# Altium PCB PCB_Organo_Prueba_V2.PcbDoc (part 2 of 2)
Units mil, origin at the board's own origin, x right, y up, seen from the top; angles counter-clockwise.
Board outline 5014.03 x 3533.9 mil, 2 copper layers (Top Layer, Bottom Layer); 87 components, 109 nets, 403 pads, 117 vias.
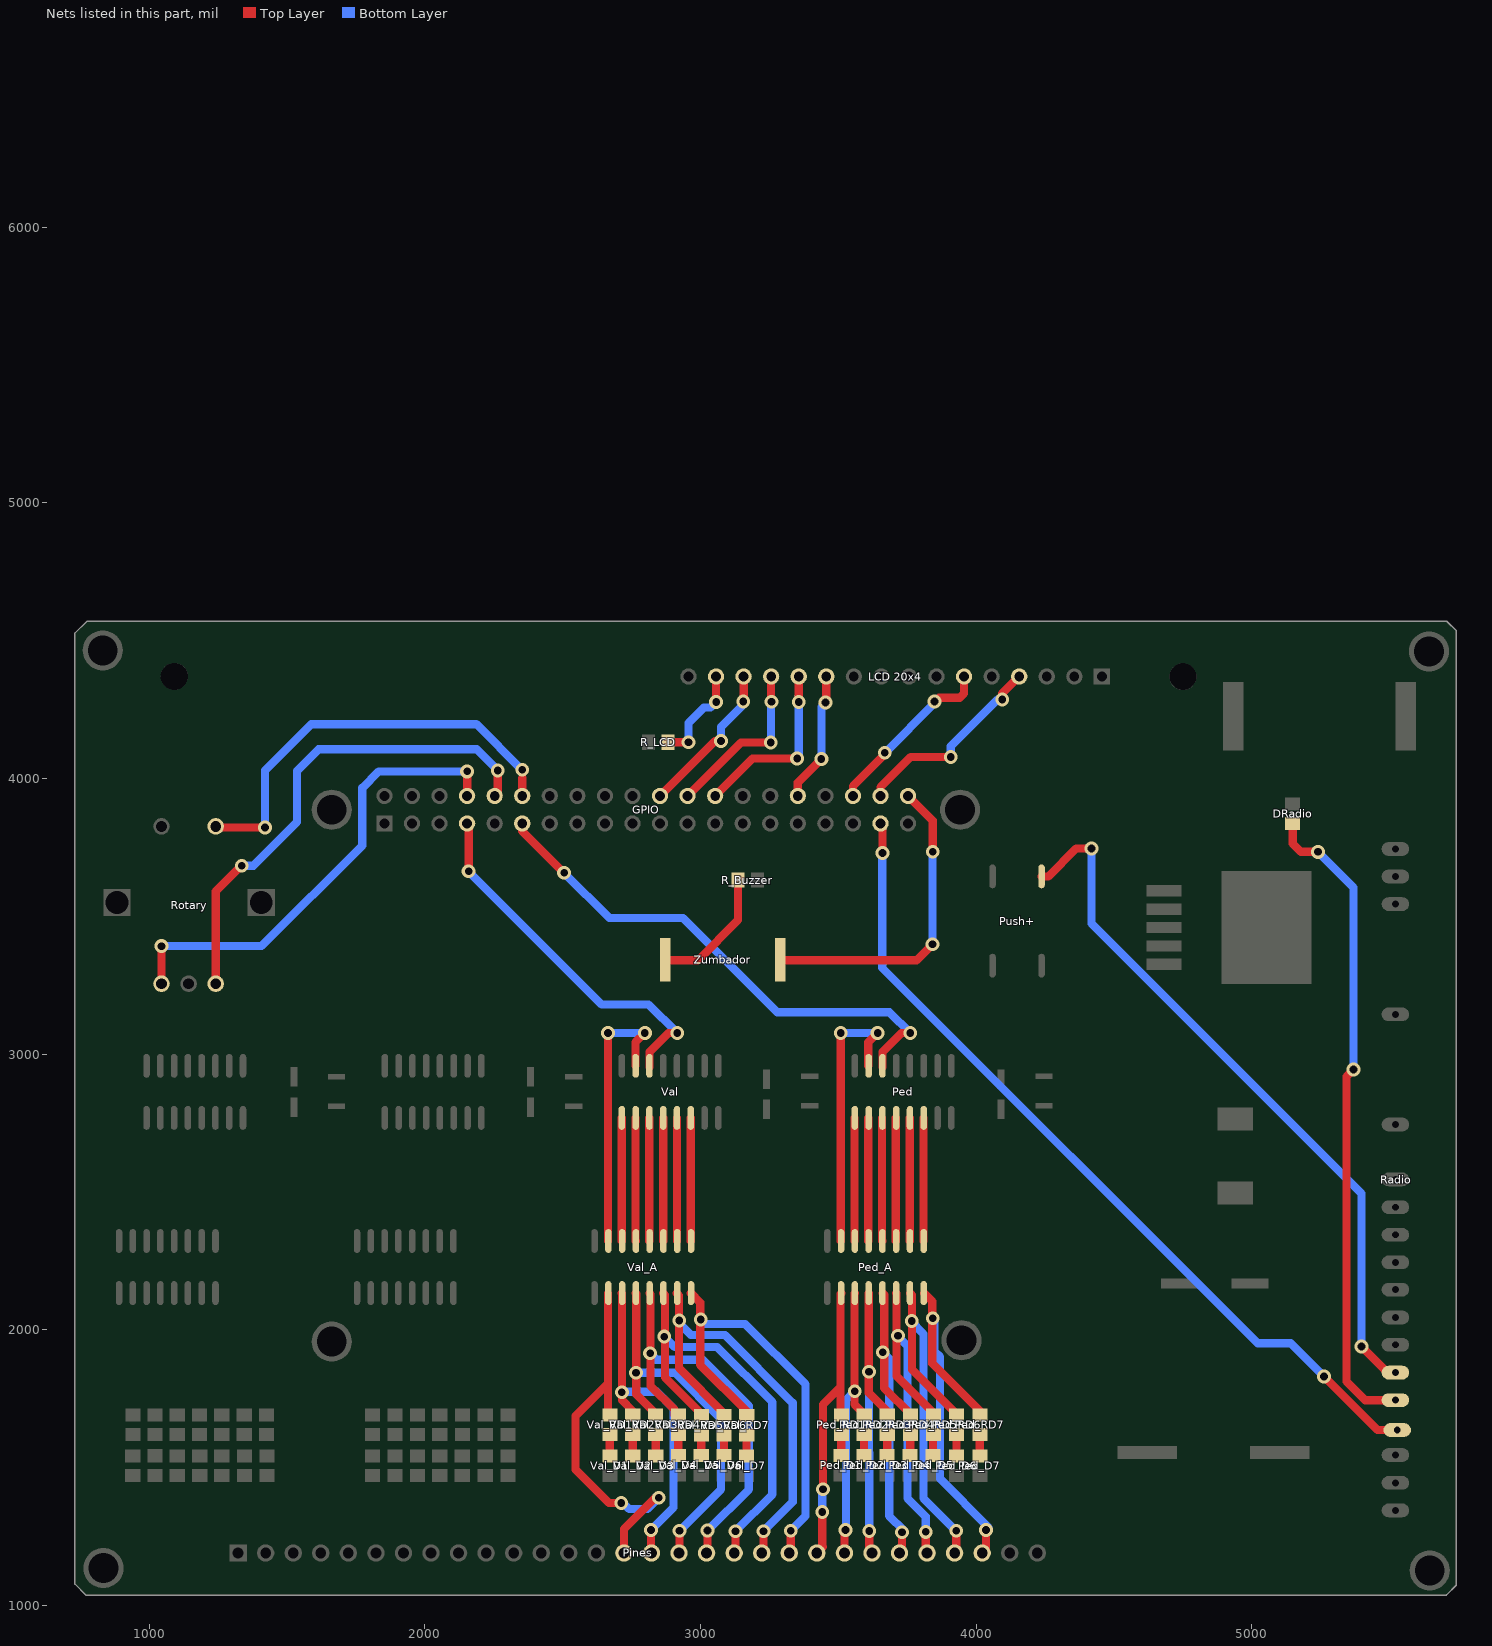
[diagram p2: the nets of this part, all layers, seen from the top]

## Via types
v1: diameter 50, hole 28, Top Layer to Bottom Layer, 117 vias

## Nets (pads, with @x,y where several pads share a name; then routed paths per layer and width w, separated by ;. In a path a pad name is that pad's centre, name@x,y a point inside that pad or via, vN(x,y) a via of type N, cw(c..) or ccw(c..) an arc to the next point about the centre after c; other vN are vias at no path point) (continued)
NetDRadio_2: DRadio.2 Radio.21 | length 2368.8
  Top Layer w30: DRadio.2@5148.43,3836.61 5148.43,3763.57 5178.5,3733.5 v1(5240.5,3733.5) ; v1(5369.5,2943.5) 5344,2918 5344,1811.5 5411.5,1744 Radio.21@5521.3,1744
  Bottom Layer w30: v1(5240.5,3733.5) 5369.5,3604.5 v1(5369.5,2943.5)
NetGPIO_7: GPIO.7 Val.14 | length 1361.1
  Top Layer w30: GPIO.7@2153,3836.5 2158.5,3831 v1(2158.5,3663) ; Val.14@2815,2951.5 2815,3008 2883,3076 v1(2915.5,3076)
  Bottom Layer w30: v1(2158.5,3663) 2641.5,3180 2811.5,3180 v1(2915.5,3076)
NetGPIO_8: GPIO.8 Rotary.A | length 1719.5
  Top Layer w30: Rotary.A@1044,3255 v1(1044,3391.5) ; GPIO.8@2153,3936.5 v1(2153,4025.5)
  Bottom Layer w30: v1(1044,3391.5) 1407,3391.5 1772.5,3757 1772.5,3966 1832,4025.5 v1(2153,4025.5)
NetGPIO_10: GPIO.10 Rotary.B | length 1809.4
  Top Layer w30: Rotary.B@1240.85,3255 1240.85,3589.35 v1(1335,3683.5) ; GPIO.10@2253,3936.5 2264.5,3948 v1(2264.5,4029)
  Bottom Layer w30: v1(1335,3683.5) 1377.5,3683.5 1536,3842 1536,4027.5 1614,4105.5 2188,4105.5 v1(2264.5,4029)
NetGPIO_11: GPIO.11 Ped.14 | length 1924
  Top Layer w30: GPIO.11@2353,3836.5 2353,3809.5 v1(2505,3657.5) ; Ped.14@3660.5,2951.5 3660.5,3008 3728.5,3076 v1(3761,3076)
  Bottom Layer w30: v1(2505,3657.5) 2669,3493.5 2936.5,3493.5 3278.5,3151.5 3685.5,3151.5 v1(3761,3076)
NetGPIO_12: GPIO.12 Rotary.E | length 1525.7
  Top Layer w30: Rotary.E@1240.85,3825.87 1244.97,3821.75 v1(1419.75,3821.75) ; GPIO.12@2353,3936.5 2353,4001 2354,4002
  Bottom Layer w30: v1(1419.75,3821.75) 1419.75,4029.25 1587.5,4197 2186.5,4197 v1@2353,4030.5
  other v1: 2353,4031.5
NetGPIO_22: "LCD 20x4.14" GPIO.22 | length 583.5
  Top Layer w30: GPIO.22@2853,3936.5 3052.5,4136 v1(3074.5,4136) ; v1(3155,4279) 3156.3,4280.3 3156.3,4369.69
  Bottom Layer w30: v1(3074.5,4136) 3074.5,4187 3154.5,4267 v1@3154.5,4291
NetGPIO_24: "LCD 20x4.13" GPIO.24 | length 632.1
  Top Layer w30: GPIO.24@2953,3936.5 3147,4130.5 v1(3255,4130.5) ; v1@3255.5,4291 3255.5,4368.89 3256.3,4369.69
  Bottom Layer w30: v1(3255,4130.5) 3255.5,4131 v1@3255.5,4301
  other v1: 3257.5,4278.5
NetGPIO_26: "LCD 20x4.12" GPIO.26 | length 663.7
  Top Layer w30: GPIO.26@3053,3936.5 3188.5,4072 v1(3350.5,4072) ; v1@3356,4288.5 3356,4369.39 3356.3,4369.69
  Bottom Layer w30: v1(3350.5,4072) 3356,4077.5 v1@3356,4298.5
  other v1: 3356,4277
NetGPIO_32: "LCD 20x4.11" GPIO.32 | length 470.7
  Top Layer w30: GPIO.32@3353,3936.5 3353,3985 v1(3438.5,4070.5) ; v1@3456.3,4275.5 3456.3,4369.69
  Bottom Layer w30: v1(3438.5,4070.5) 3438.5,4260.5 3443.5,4265.5 v1@3453.5,4265.5
  other v1: 3453.5,4275.5
NetGPIO_36: "LCD 20x4.6" GPIO.36 | length 645.5
  Top Layer w30: GPIO.36@3553,3936.5 3553,3972 v1@3676.5,4095.5 ; v1@3850.25,4277.75 3865,4292.5 3940.5,4292.5 3956.3,4308.3 3956.3,4369.69
  Bottom Layer w30: v1(3668.5,4093) v1@3849,4273.5
  other v1: 3849,4279
NetGPIO_37: GPIO.37 Radio.22 | length 3090.4
  Top Layer w30: GPIO.37@3653,3836.5 3660.5,3829 v1(3660.5,3729.5) ; v1(5262.5,1829.5) 5456.5,1635.5 Radio.22@5528,1635.5
  Bottom Layer w30: v1@3659,3729.5 3659,3313 5022,1950 5142,1950 v1(5262.5,1829.5)
NetGPIO_38: "LCD 20x4.4" GPIO.38 | length 736.8
  Top Layer w30: GPIO.38@3653,3936.5 3653,3968 3762.5,4077.5 v1(3908,4077.5) ; v1(4094.5,4286.5) 4094.5,4307.89 4156.3,4369.69
  Bottom Layer w30: v1(3908,4077.5) 3908,4117 4077.5,4286.5 v1(4094.5,4286.5)
NetGPIO_40: GPIO.40 Zumbador.1 | length 1156.1
  Top Layer w30: Zumbador.1@3288,3340 3784,3340 v1(3842,3398) ; GPIO.40@3753,3936.5 3842.5,3847 v1(3842.5,3734)
  Bottom Layer w30: v1(3842,3398) v1@3842,3736.5
"NetLCD 20x4_15": "LCD 20x4.15" R_LCD.1 | length 369.7
  Top Layer w30: R_LCD.1@2881.43,4131 v1(2956.5,4131) ; v1@3056,4277 3056,4369.39 3056.3,4369.69
  Bottom Layer w30: v1(2956.5,4131) 2956.5,4201.5 3012,4257 3036.5,4257 v1(3056.5,4277)
NetPed_1: Ped.1 Ped_A.6 | length 446.7
  Top Layer w20: Ped_A.6@3558.77,2321.83 Ped_A.6@3559,2321.6
  Top Layer w30: Ped_A.6@3558.77,2321.83 Ped.1@3558.77,2768.18
NetPed_2: Ped.2 Ped_A.5 | length 446.7
  Top Layer w30: Ped.2@3608.77,2768.18 3608.77,2321.83 Ped_A.5@3609,2321.6
NetPed_3: Ped.3 Ped_A.4 | length 446.7
  Top Layer w30: Ped.3@3658.77,2768.18 3658.77,2321.83 Ped_A.4@3659,2321.6
NetPed_4: Ped.4 Ped_A.3 | length 446.7
  Top Layer w30: Ped.4@3708.77,2768.18 3708.77,2321.83 Ped_A.3@3709,2321.6
NetPed_5: Ped.5 Ped_A.2 | length 446.7
  Top Layer w30: Ped.5@3758.77,2768.18 3758.77,2321.83 Ped_A.2@3759,2321.6
NetPed_6: Ped.6 Ped_A.1 | length 446.7
  Top Layer w30: Ped.6@3808.77,2768.18 3809,2767.95 Ped_A.1@3809,2321.6
NetPed_15: Ped.15 Ped_A.7 | length 1021
  Top Layer w30: Ped_A.7@3509,2321.6 v1(3509,3076) ; Ped.15@3608.77,2957.15 3608.77,3042.77 3609.27,3042.77 v1(3642.5,3076)
  Bottom Layer w30: v1(3509,3076) v1(3642.5,3076)
NetPed_A_10: Ped_A.10 Ped_RD1.1 Pines.22 | length 1085.1
  Top Layer w30: Pines.22@3422,1189.5 3444.5,1212 3442,1214.5 v1(3442,1338) ; v1(3444.5,1420.5) 3444.5,1728.5 3507.5,1791.5 ; Ped_A.10@3510.5,2132.13 3507.5,2129.13 3507.5,1791.5 ; Ped_RD1.1@3511.01,1689.19 3507.5,1692.69 3507.5,1791.5
  Bottom Layer w30: v1(3442,1338) 3442,1418 v1(3444.5,1420.5)
NetPed_A_11: Ped_A.11 Ped_RD2.1 Pines.23 | length 1058.7
  Top Layer w30: Pines.23@3522,1189.5 3522,1269 v1(3526,1273) ; Ped_A.11@3560.5,2132.13 3559,2130.63 3559,1728.97 3594,1693.97 Ped_RD2.1@3594,1690.43
  Bottom Layer w30: v1@3527.5,1273 3527.5,1744.5 v1(3559.5,1776.5)
NetPed_A_12: Ped_A.12 Ped_RD3.1 Pines.24 | length 1127.4
  Top Layer w30: Ped_A.12@3610.5,2132.13 3610.5,1770 Ped_RD3.1@3683.78,1696.72 ; v1(3612,1269) 3612,1199.5 Pines.24@3622,1189.5
  Bottom Layer w30: v1(3611,1847) v1(3612,1269)
NetPed_A_13: Ped_A.13 Ped_RD4.1 Pines.25 | length 1240
  Top Layer w30: Ped_A.13@3660.5,2132.13 3666.5,2126.13 3666.5,1788 Ped_RD4.1@3762.78,1691.72 ; Pines.25@3722,1189.5 3731,1198.5 v1(3731,1264.5)
  Bottom Layer w30: v1(3661,1918) 3684.5,1894.5 3684.5,1324.5 v1@3737.75,1271.25
NetPed_A_14: Ped_A.14 Ped_RD5.1 Pines.26 | length 1324.8
  Top Layer w30: Ped_A.14@3710.5,2132.13 3711,2131.63 3711,1831 Ped_RD5.1@3848.53,1693.47 ; v1(3817.5,1266) 3817.5,1194 Pines.26@3822,1189.5
  Bottom Layer w30: v1@3713,1978 3751,1940 3751,1388 3817,1322 v1@3817,1270.5
  other v1: 3716.5,1977.5
NetPed_A_15: Ped_A.15 Ped_RD6.1 Pines.27 | length 1423.5
  Top Layer w30: Ped_A.15@3760.5,2132.13 3767,2125.63 3767,1854.5 Ped_RD6.1@3930.28,1691.22 ; Pines.27@3922,1189.5 3928,1195.5 v1(3928,1270.5)
  Bottom Layer w30: v1@3763,2030.5 3809.17,1984.33 3809.17,1387.83 v1@3927.25,1269.75
  other v1: 3766,2031
NetPed_A_16: Ped_A.16 Ped_RD7.1 Pines.28 | length 1454.9
  Top Layer w30: Ped_A.16@3810.5,2132.13 3841,2101.63 3841,1877 Ped_RD7.1@4021.03,1696.97 ; Pines.28@4022,1189.5 4036,1203.5 v1(4036,1273)
  Bottom Layer w30: v1(3842.5,2041.5) 3849.17,2034.83 3849.17,1920.98 3868.5,1901.64 3868.5,1459 v1@4045.25,1282.25
NetPed_D1_1: Ped_D1.1 Ped_RD1.2 | length 76.3
  Top Layer w30: Ped_D1.1@3510.5,1543.43 3510.5,1619.07 Ped_RD1.2@3511,1619.57
NetPed_D2_1: Ped_D2.1 Ped_RD2.2 | length 76.8
  Top Layer w30: Ped_D2.1@3593.5,1542.93 3593.5,1619.07 Ped_RD2.2@3594,1619.57
NetPed_D3_1: Ped_D3.1 Ped_RD3.2 | length 76.8
  Top Layer w30: Ped_D3.1@3677,1542.93 3677,1619.07 Ped_RD3.2@3677.5,1619.57
NetPed_D4_1: Ped_D4.1 Ped_RD4.2 | length 77
  Top Layer w30: Ped_D4.1@3760.5,1542.93 3760.5,1618.57 Ped_RD4.2@3761.5,1619.57
NetPed_D5_1: Ped_D5.1 Ped_RD5.2 | length 77.3
  Top Layer w30: Ped_D5.1@3843.5,1542.43 3843.5,1617.57 Ped_RD5.2@3845,1619.07
NetPed_D6_1: Ped_D6.1 Ped_RD6.2 | length 77.1
  Top Layer w30: Ped_D6.1@3929,1541.93 Ped_RD6.2@3929,1619.07
NetPed_D7_1: Ped_D7.1 Ped_RD7.2 | length 77.1
  Top Layer w30: Ped_D7.1@4013.5,1541.43 Ped_RD7.2@4013.5,1618.57
NetPines_15: Pines.15 Val_A.10 Val_RD1.1 | length 1443.1
  Top Layer w30: Val_RD1.1@2664.5,1690.43 2664.5,1805 ; Val_A.10@2664.5,2132.13 2664.5,1805 ; v1(2712,1370.5) 2667.5,1370.5 2546.5,1491.5 2546.5,1687 2664.5,1805 ; Pines.15@2722,1189.5 2722,1276.86 2771.14,1326 2771.5,1326 2835,1389.5 v1(2848,1389.5)
  Bottom Layer w30: v1@2713,1377 2741,1349 2807.5,1349 v1(2848,1389.5)
NetPines_16: Pines.16 Val_A.11 Val_RD2.1 | length 1230.8
  Top Layer w30: Val_A.11@2714.5,2132.13 2715,2131.63 2715,1744 2754,1705 Val_RD2.1@2754,1690.43 ; v1(2820,1272.5) 2820,1191.5 Pines.16@2822,1189.5
  Bottom Layer w30: v1(2714.5,1773) 2716,1774.5 2842,1774.5 2902,1714.5 2902,1354.5 v1(2820,1272.5)
NetPines_17: Pines.17 Val_A.12 Val_RD3.1 | length 1398.3
  Top Layer w30: Val_A.12@2764.5,2132.13 2767,2129.63 2767,1765 Val_RD3.1@2839.53,1692.47 ; Pines.17@2922,1189.5 2924,1191.5 v1(2924,1270)
  Bottom Layer w30: v1(2766,1843.5) 2907,1843.5 3074.5,1676 3074.5,1420.5 v1(2924,1270)
NetPines_18: Pines.18 Val_A.13 Val_RD4.1 | length 1516
  Top Layer w30: Val_A.13@2814.5,2132.13 2818,2128.63 2818,1796 2906.5,1707.5 Val_RD4.1@2906.5,1689.43 ; Pines.18@3022,1189.5 3025.5,1193 v1(3025.5,1271)
  Bottom Layer w30: v1@2816,1914.5 2839.5,1891 3007,1891 3175,1723 3175,1420.5 v1(3025.5,1271)
  other v1: 2817,1914.5
NetPines_19: Pines.19 Val_A.14 Val_RD5.1 | length 1588.2
  Top Layer w30: Val_A.14@2864.5,2132.13 2871,2125.63 2871,1826 Val_RD5.1@3005.53,1691.47 ; Pines.19@3126.5,1194 v1(3126.5,1268.5)
  Bottom Layer w30: v1(2868,1974.5) 2906,1936.5 3060.5,1936.5 3260.5,1736.5 3260.5,1402.5 v1(3126.5,1268.5)
NetPines_20: Pines.20 Val_A.15 Val_RD6.1 | length 1640.8
  Top Layer w30: Val_A.15@2914,2131.63 2921.5,2124.13 2921.5,1860.5 Val_RD6.1@3089.28,1692.72 ; Pines.20@3222,1189.5 3228.5,1196 v1(3228.5,1268.5)
  Bottom Layer w30: v1@2918,2027 2964.5,1980.5 3088.5,1980.5 3334.5,1734.5 3334.5,1374.5 v1(3228.5,1268.5)
  other v1: 2922.5,2033
NetPines_21: Pines.21 Val_A.16 Val_RD7.1 | length 1627.7
  Top Layer w30: Val_A.16@2964.5,2132.13 2998.5,2098.13 2998.5,1872 Val_RD7.1@3170,1700.5 ; Pines.21@3322,1189.5 3327,1194.5 v1(3327,1270)
  Bottom Layer w30: v1@3003,2035.5 3018,2020.5 3162,2020.5 3380.5,1802 3380.5,1323.5 v1(3327,1270)
  other v1: 3000.5,2037
NetPush+_1: Push+.1 Radio.20 | length 2597.9
  Top Layer w30: Push+.1@4237.5,3644.5 4262,3644.5 4363,3745.5 v1(4418.5,3745.5) ; v1(5398.5,1938.5) 5493,1844 Radio.20@5521.5,1844
  Bottom Layer w30: v1(4418.5,3745.5) 4418.5,3473.5 5398.5,2493.5 v1(5398.5,1938.5)
NetR_Buzzer_2: R_Buzzer.2 Zumbador.2 | length 467.5
  Top Layer w30: Zumbador.2@2874,3340 2990,3340 3136.07,3486.07 R_Buzzer.2@3136.07,3631
NetVal_1: Val.1 Val_A.6 | length 446.7
  Top Layer w20: Val_A.6@2714.27,2321.83 Val_A.6@2714.5,2321.6
  Top Layer w30: Val_A.6@2714.27,2321.83 Val.1@2714.27,2768.18
NetVal_2: Val.2 Val_A.5 | length 446.7
  Top Layer w30: Val.2@2764.27,2768.18 2764.27,2321.83 Val_A.5@2764.5,2321.6
NetVal_3: Val.3 Val_A.4 | length 446.7
  Top Layer w30: Val.3@2814.27,2768.18 2814.27,2321.83 Val_A.4@2814.5,2321.6
NetVal_4: Val.4 Val_A.3 | length 446.7
  Top Layer w30: Val.4@2864.27,2768.18 2864.27,2321.83 Val_A.3@2864.5,2321.6
NetVal_5: Val.5 Val_A.2 | length 446.7
  Top Layer w30: Val.5@2914.27,2768.18 2914.27,2321.83 Val_A.2@2914.5,2321.6
NetVal_6: Val.6 Val_A.1 | length 446.7
  Top Layer w30: Val.6@2964.27,2768.18 2964.5,2767.95 Val_A.1@2964.5,2321.6
NetVal_15: Val.15 Val_A.7 | length 1021
  Top Layer w30: Val_A.7@2664.5,2321.6 v1(2664.5,3076) ; Val.15@2764.27,2957.15 2764.27,3042.77 2764.77,3042.77 v1(2798,3076)
  Bottom Layer w30: v1(2664.5,3076) v1(2798,3076)
NetVal_D1_1: Val_D1.1 Val_RD1.2 | length 77.8
  Top Layer w30: Val_D1.1@2671,1541.92 2671,1619.06 Val_RD1.2@2671.5,1619.56
NetVal_D2_1: Val_D2.1 Val_RD2.2 | length 77.6
  Top Layer w30: Val_D2.1@2754,1541.93 Val_RD2.2@2754,1619.57
NetVal_D3_1: Val_D3.1 Val_RD3.2 | length 77.3
  Top Layer w30: Val_RD3.2@2837,1619.07 2837,1542.43 Val_D3.1@2837.5,1541.93
NetVal_D4_1: Val_D4.1 Val_RD4.2 | length 75.6
  Top Layer w30: Val_D4.1@2919.5,1542.43 Val_RD4.2@2919.5,1618.07
NetVal_D5_1: Val_D5.1 Val_RD5.2 | length 75.1
  Top Layer w30: Val_D5.1@3002.5,1542.43 Val_RD5.2@3002.5,1617.57
NetVal_D6_1: Val_D6.1 Val_RD6.2 | length 75.8
  Top Layer w30: Val_D6.1@3085,1542.43 3085,1617.57 Val_RD6.2@3085.5,1618.07
NetVal_D7_1: Val_D7.1 Val_RD7.2 | length 76.5
  Top Layer w30: Val_D7.1@3167,1541.93 3167,1617.07 Val_RD7.2@3168,1618.07
pads on no net: 1T.7 1T.9 2T.7 2T.9 "LCD 20x4.3" "LCD 20x4.7" "LCD 20x4.8" "LCD 20x4.9" "LCD 20x4.10" GPIO.1 GPIO.16 GPIO.17 GPIO.18 GPIO.19 GPIO.21 GPIO.23 GPIO.27 GPIO.28 GPIO.29 GPIO.31 GPIO.33 GPIO.35 Ped.7 Ped.9 Pines.29 Push+.2 Push+.4 Radio.3 Radio.11 Radio.13 Radio.14 Radio.17 Radio.23 Radio.24 Radio.25 Rotary. Val.7 Val.9
copper on no net:
  other v1: 1390,3062.5 3097.5,3062.5 2233,3064

## Polygon pours and split planes (outlines as drawn)
5V on Top Layer "5V" (solid, remove dead copper, pour order 12): 774.27,4570.28 5707,4570.28 5743.28,4534 5742.03,4532.75 5742.03,1071.97 5742.02,1071.97 5707.02,1036.97 5706.4,1036.35 770.69,1036.35 769.81,1036.35 729.85,1076.31 729.22,1076.94 729.22,4526.12
12V on Top Layer "12V" (solid, remove dead copper, pour order 10): 774.27,4570.28 5707.89,4570.28 5708.51,4569.65 5742.03,4536.14 5742.03,4530.21 5742.03,1071.97 5742.02,1071.97 5706.4,1036.35 5705.51,1036.35 769.81,1036.35 769.18,1036.98 729.22,1076.94 729.22,1077.82 729.22,4527
GND on Top Layer "GND" (solid, remove dead copper, pour order 8): 774.27,4570.28 5707.89,4570.28 5708.51,4569.65 5741.14,4537.02 5742.03,4537.02 5742.03,1071.97 5742.02,1071.97 5706.4,1036.35 5705.51,1036.35 772.83,1036.35 772.2,1035.72 730.1,1077.82 729.22,1077.82 729.22,4527 729.85,4527.63

## Other copper
Top Layer:
  rectangle net 12V: 1445,2879 1729,2964.5
  rectangle net 12V: 1700.5,2946.5 1729.5,3118
  rectangle net 12V: 1445,2964.5 1505.5,3116
  rectangle net 5V: 4573.5,3843 4963,4145.5
  rectangle net 5V: 4524,3928.5 4573.5,4114
  rectangle net 5V: 4348.5,3843 4573.5,3928.5
  rectangle net NetPed_A_16: 3981.5,1136.5 4064,1315
  rectangle net NetPed_A_15: 3881,1136 3963.5,1314.5
  rectangle net NetPed_A_14: 3779,1136 3861.5,1314.5
  rectangle net NetPed_A_13: 3680,1136 3762.5,1314.5
  rectangle net NetPed_A_12: 3578,1136 3660.5,1314.5
  rectangle net NetPed_A_11: 3481.5,1135.5 3564,1314
  rectangle net NetPed_A_10: 3382,1135.5 3464.5,1314
  rectangle net NetPines_21: 3281.5,1135 3364,1313.5
  rectangle net NetPines_20: 3186,1135 3268.5,1313.5
  rectangle net NetPines_19: 3084,1135.5 3166.5,1314
  rectangle net NetPines_18: 2986,1137 3068.5,1315.5
  rectangle net NetPines_17: 2883.5,1138 2966,1316.5
  rectangle net NetPines_16: 2788.5,1138.5 2867.5,1306.5
  rectangle net NetPines_15: 2683,1139 2765.5,1317.5
  rectangle net Net2T_A_16: 2581.5,1139.5 2664,1318
  rectangle net Net2T_A_15: 2479.5,1139.5 2562,1318
  rectangle net Net2T_A_14: 2379.5,1139 2462,1317.5
  rectangle net Net2T_A_13: 2279.5,1139 2362,1317.5
  rectangle net Net2T_A_12: 2181,1138.5 2263.5,1317
  rectangle net Net2T_A_11: 2081,1138.5 2163.5,1317
  rectangle net Net2T_A_10: 1980,1138.5 2062.5,1317
  rectangle net Net1T_A_16: 1875,1138.5 1957.5,1317
  rectangle net Net1T_A_15: 1777,1138.5 1859.5,1317
  rectangle net Net1T_A_14: 1675,1139.5 1757.5,1318
  rectangle net Net1T_A_13: 1576,1139.5 1658.5,1318
  rectangle net Net1T_A_12: 1478.5,1139.5 1561,1318
  rectangle net Net1T_A_11: 1376.5,1139.5 1459,1318
  rectangle net Net1T_A_10: 1282,1138.5 1364.5,1317
  rectangle net 5V: 4314.5,4246.5 4400,4423
  rectangle net NetD_Back_K: 5469.5,4078.5 5639.5,4368
  rectangle net 12V: 4186,1107.5 4402.5,2058.5
  rectangle net 5V: 4558.5,3123 4603.5,3362.5
  rectangle net 5V: 4558.5,3362.5 4750.5,3417.5
  rectangle net 5V: 4559,2987.5 5406.5,3150.5
  rectangle net 5V: 5294,3150.5 5406.5,3801
  rectangle net 5V: 4966.5,1339.5 5258,1775
  rectangle net 5V: 5433.5,2286 5692,2390
  rectangle net 5V: 5630.5,1259 5700.5,3699.5
  rectangle net 5V: 5371.5,3699.5 5700.5,3801.5
  rectangle net 5V: 4043.5,3842 4354.5,4220
  rectangle net 5V: 3177.5,3453.5 3909.5,3688
  rectangle net 5V: 2841.5,4188 4357.5,4237
  rectangle net 5V: 4290,4103.5 5024,4250.5
  rectangle net 5V: 4873,3881 5289.5,4409.5
  rectangle net 5V: 930,3650.5 1170.5,4023
  rectangle net 5V: 930,4014.5 1556.5,4192.5
  rectangle net 5V: 2698,4054 2844.5,4237
  rectangle net 5V: 1809.5,3886 2004,4080
  rectangle net 5V: 1210.5,4070 2760.5,4462
  rectangle net 12V: 4356,3214 4490,3561
  rectangle net 12V: 4356,3561 4750,3653
  rectangle net NetGPIO_11: 3641.5,2904 3679,3001.5
  rectangle net NetGPIO_7: 2796,2904 2833.5,3001.5
  rectangle net Net2T_14: 1937,2906 1974.5,3003.5
  rectangle net Net1T_14: 1070,2905.5 1107.5,3003
  rectangle net 12V: 4490,2114.5 4816.5,2422
  rectangle net 12V: 4369,2114.5 4490,2866
  rectangle net 12V: 757,2056.5 837.5,3115.5
  rectangle net 12V: 1556,2068 1703,2717.5
  rectangle net 12V: 2420,2069.5 2567,2719
  rectangle net 12V: 3240.5,2066 3387.5,2715.5
  rectangle net 12V: 3371,2066 3478.5,2200.5
  rectangle net 12V: 2564.5,2069.5 2635,2204
  rectangle net 12V: 837.5,2056.5 908,2191
  rectangle net 12V: 1703,2068 1773.5,2202.5
  rectangle net 12V: 4007.5,2866 4490,3131.5
  rectangle net 12V: 1443,3137 1723.5,3161
  rectangle net 12V: 2298.5,2875 2579,3140.5
  rectangle net 12V: 3158.5,2864 3439,3129.5
  rectangle net 12V: 757,3115.5 4490,3214
  rectangle net 12V: 3542,2901.5 3579.5,2999
  rectangle net 12V: 3841.5,2903 3879,3000.5
  rectangle net 12V: 2697,2903.5 2734.5,3001
  rectangle net 12V: 2996.5,2905 3034,3002.5
  rectangle net 12V: 1836.5,2901.5 1874,2999
  rectangle net 12V: 2136,2903 2173.5,3000.5
  rectangle net 12V: 1270,2906.5 1307.5,3004
  rectangle net 12V: 970.5,2905 1008,3002.5
  rectangle net NetPed_A_16: 3792.5,2085 3830,2182.5
  rectangle net NetPed_A_15: 3742.5,2084.5 3780,2182
  rectangle net NetPed_A_14: 3691.5,2084.5 3729,2182
  rectangle net NetPed_A_13: 3641.5,2084.5 3679,2182
  rectangle net NetPed_A_12: 3591.5,2084.5 3629,2182
  rectangle net NetPed_A_11: 3541.5,2084.5 3579,2182
  rectangle net NetPed_A_10: 3491.5,2084.5 3529,2182
  rectangle net NetPines_21: 2946.5,2085 2984,2182.5
  rectangle net NetPines_20: 2896.5,2084.5 2934,2182
  rectangle net NetPines_19: 2845,2084.5 2882.5,2182
  rectangle net NetPines_18: 2795.5,2084.5 2833,2182
  rectangle net NetPines_17: 2745.5,2084.5 2783,2182
  rectangle net NetPines_16: 2695.5,2084.5 2733,2182
  rectangle net NetPines_15: 2645.5,2084.5 2683,2182
  rectangle net Net2T_A_16: 2086,2085 2123.5,2182.5
  rectangle net Net2T_A_15: 2035,2084.5 2072.5,2182
  rectangle net Net2T_A_14: 1984.5,2084.5 2022,2182
  rectangle net Net2T_A_13: 1935,2084.5 1972.5,2182
  rectangle net Net2T_A_12: 1885,2084.5 1922.5,2182
  rectangle net Net2T_A_11: 1835,2084.5 1872.5,2182
  rectangle net Net2T_A_10: 1785,2084.5 1822.5,2182
  rectangle net Net1T_A_10: 921,2085 958.5,2182.5
  rectangle net Net1T_A_11: 971,2085 1008.5,2182.5
  rectangle net Net1T_A_12: 1021,2085 1058.5,2182.5
  rectangle net Net1T_A_13: 1071,2085 1108.5,2182.5
  rectangle net Net1T_A_14: 1120.5,2085 1158,2182.5
  rectangle net Net1T_A_15: 1171,2085 1208.5,2182.5
  rectangle net Net1T_A_16: 1222,2085.5 1259.5,2183
  rectangle net NetPed_1: 3539.5,2720.5 3577,2818
  rectangle net NetPed_2: 3589.5,2720.5 3627,2818
  rectangle net NetPed_3: 3639.5,2720.5 3677,2818
  rectangle net NetPed_4: 3690,2720.5 3727.5,2818
  rectangle net NetPed_5: 3740,2720 3777.5,2818
  rectangle net NetPed_6: 3790,2720 3827.5,2818
  rectangle net NetPed_15: 3590.5,2906 3628,3003.5
  rectangle net NetPed_15: 3490,2271 3527.5,2368.5
  rectangle net NetPed_1: 3540,2271 3577.5,2368.5
  rectangle net NetPed_2: 3590,2271 3627.5,2368.5
  rectangle net NetPed_3: 3640,2271 3677.5,2368.5
  rectangle net NetPed_4: 3689.5,2271 3727,2368.5
  rectangle net NetPed_5: 3740,2271 3777.5,2368.5
  rectangle net NetPed_6: 3791,2271.5 3828.5,2369
  rectangle net NetVal_1: 2695,2720.5 2732.5,2818
  rectangle net NetVal_2: 2745,2720.5 2782.5,2818
  rectangle net NetVal_3: 2795,2720.5 2832.5,2818
  rectangle net NetVal_4: 2845.5,2720.5 2883,2818
  rectangle net NetVal_5: 2895.5,2720 2933,2818
  rectangle net NetVal_6: 2945.5,2720 2983,2818
  rectangle net NetVal_15: 2746,2906 2783.5,3003.5
  rectangle net NetVal_15: 2645.5,2271 2683,2368.5
  rectangle net NetVal_1: 2695.5,2271 2733,2368.5
  rectangle net NetVal_2: 2745.5,2271 2783,2368.5
  rectangle net NetVal_3: 2795.5,2271 2833,2368.5
  rectangle net NetVal_4: 2845,2271 2882.5,2368.5
  rectangle net NetVal_5: 2895.5,2271 2933,2368.5
  rectangle net NetVal_6: 2946.5,2271.5 2984,2369
  rectangle net Net2T_1: 1834.5,2721.5 1872,2819
  rectangle net Net2T_2: 1884.5,2721.5 1922,2819
  rectangle net Net2T_3: 1934.5,2721.5 1972,2819
  rectangle net Net2T_4: 1985,2721.5 2022.5,2819
  rectangle net Net2T_5: 2035,2721 2072.5,2819
  rectangle net Net2T_6: 2085,2721 2122.5,2819
  rectangle net Net2T_15: 1885.5,2907 1923,3004.5
  rectangle net Net2T_15: 1785,2272 1822.5,2369.5
  rectangle net Net2T_1: 1835,2272 1872.5,2369.5
  rectangle net Net2T_2: 1885,2272 1922.5,2369.5
  rectangle net Net2T_3: 1935,2272 1972.5,2369.5
  rectangle net Net2T_4: 1984.5,2272 2022,2369.5
  rectangle net Net2T_5: 2035,2272 2072.5,2369.5
  rectangle net Net2T_6: 2086,2272.5 2123.5,2370
  rectangle net Net1T_6: 1222,2271.5 1259.5,2369
  rectangle net Net1T_5: 1171,2271 1208.5,2368.5
  rectangle net Net1T_4: 1120.5,2271 1158,2368.5
  rectangle net Net1T_3: 1071,2271 1108.5,2368.5
  rectangle net Net1T_2: 1021,2271 1058.5,2368.5
  rectangle net Net1T_1: 971,2271 1008.5,2368.5
  rectangle net Net1T_15: 921,2271 958.5,2368.5
  rectangle net Net1T_15: 1021.5,2906 1059,3003.5
  rectangle net Net1T_6: 1221,2720 1258.5,2818
  rectangle net Net1T_5: 1171,2720 1208.5,2818
  rectangle net Net1T_4: 1121,2720.5 1158.5,2818
  rectangle net Net1T_3: 1070.5,2720.5 1108,2818
  rectangle net Net1T_2: 1020.5,2720.5 1058,2818
  rectangle net Net1T_1: 970.5,2720.5 1008,2818
Bottom Layer:
  rectangle net NetPush+_1: 4639,2852.5 5241.5,3324
  rectangle net Net1T_12: 772.5,2446 893,2645.5
  rectangle net Net1T_12: 772,2603.5 884,3404.5
  rectangle net Net1T_11: 3105.5,2802.5 3478,2953
  rectangle net Net1T_11: 2260,2808.5 2632.5,2959
  rectangle net Net1T_11: 1387.5,2799.5 1760,2950
  rectangle net NetGPIO_37: 4248.5,2225.5 4876,2686
  rectangle net NetGPIO_11: 2598.5,3444 2970,3598
  rectangle net NetGPIO_7: 2376.5,3316 2520,3485
  rectangle net NetGPIO_7: 2247.5,3316 2389,3637
  rectangle net NetGPIO_8: 1103.5,3345 1379.5,3444
  rectangle net Net2T_14: 1997.5,3251.5 2121.5,3532.5
  rectangle net Net1T_12: 893,2446 3826.5,2645.5
Multi-Layer:
  text "5V" at 4385.5,3985.5 h60
  text "Modulo" at 5418,3888.5 h29
  text "de Radio" at 5479,3842 h29
  text "Pulsador" at 4088,3747.5 h29
  text "Regulador 5V" at 4737,3723.5 h29
  text "Rotary" at 1478,3686.5 h29
  text "Buzzer" at 2904.5,3626.5 h29
  text "12V" at 1529,3018.5 h60
  text "->" at 3887.5,2628.5 h29 r90
  text "Shift Reg." at 3859.5,2577.5 h29
  text "Darglintons" at 3863,2470 h29
  text "->" at 3858.5,2438 h29 r270
  text "1 Tecl." at 1318.5,2200.5 h29
  text "2 Tecl." at 2188,2200.5 h29
  text "Val." at 3037.5,2200.5 h29
  text "Ped." at 3878,2200.5 h29
  text "GND" at 4847,1104 h60

## Silkscreen, mask and mechanical layers (free items; w line width, h text height)
Top Overlay:
  lines w0.5: 1794.31,3748.18 3794.31,3748.18 3794.31,3945.03 1794.31,3945.03 1794.31,3748.18 ; 1794.31,3749.18 3794.31,3749.18 3794.31,3946.03 1794.31,3946.03 1794.31,3749.18
Mechanical 1:
  lines w7.87: 5902,4172 5902,4210 5929,4237 6021,4237 ; 5946,4125 5998,4125
Mechanical 5:
  circle w0.5: c3744.31,3797.61 r31.5
Mechanical 13:
  lines w7.87: 948,1040 1045,1040 4807,1040 5477,1040 ; 961.02,1040 772.2,1040 732.87,1079.33 732.87,1214.33 732.87,4524.6 774.27,4566 939,4566 975,4566 5491,4566 5707,4566 5739,4534 5739,4463 5739,1129 5739,1075 5704,1040 5650,1040 5470,1040

## Text inside footprints (layer, text, board x,y; h text height)
GPIO: Top Overlay "1" at 1800,3717.5 h50; Top Overlay "2" at 1800,4014.5 h50; Top Overlay "40" at 3748,4008.5 h50; Top Overlay "39" at 3759,3709.5 h50